# Allegro board RK_NVR_DEMO1_RK3588_LP4XD200P232SD8_V21_20211228_final_lint.brd (continued)
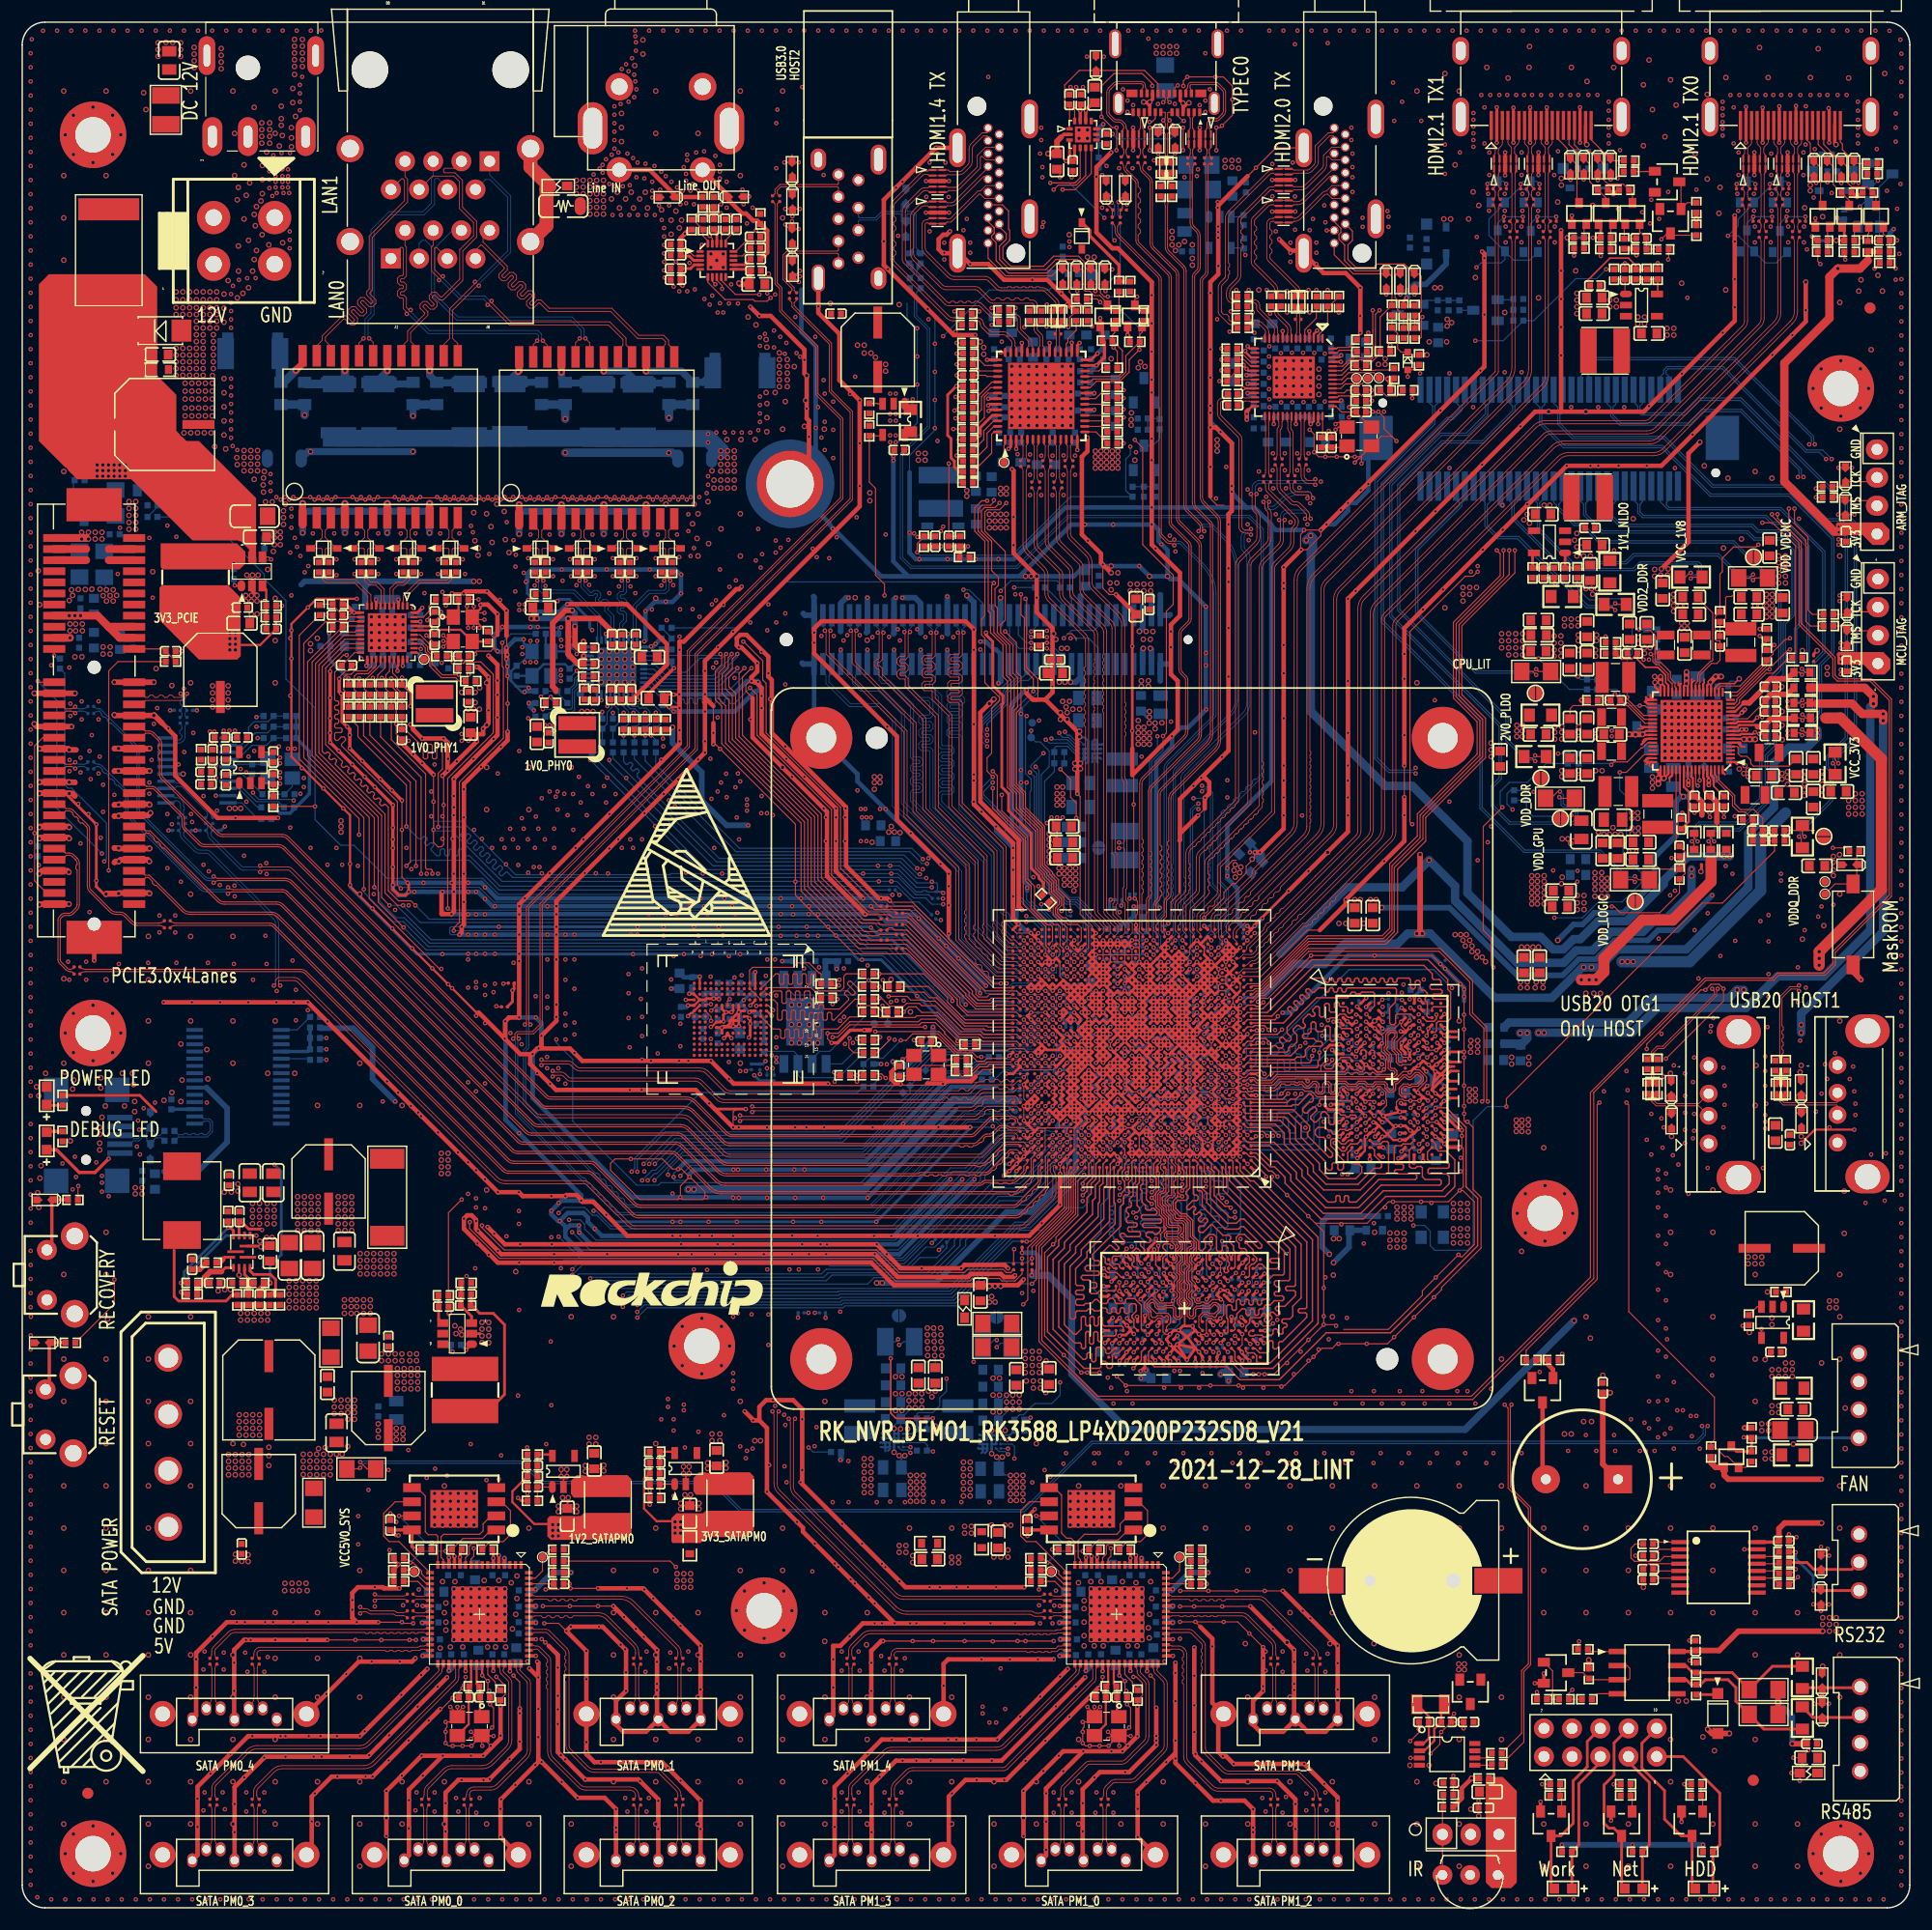
[diagram p0: board, top side]
## Routing (per net, layer and track width the routed paths; a pad name or vN(x,y) marks a point on that pad's centre or on a via; arc(x,y) is an arc through that point) (continued)
VBUS5V0_TYPEC0: length 8.3
  TOP w0.305: v2(105.13,162.7) 105.03,162.7 104.6,162.27 ; 104.6,162.27 J2500.A4 ; 104.6,162.27 v2(104.6,162.68) 104.35,162.93 J2500.B9 ; 101.6,162.45 v2(101.6,162.78) 101.85,163.03 J2500.B4 ; 101.6,162.45 J2500.A9 ; 101.6,162.45 101.29,162.76 101.12,162.76 101.09,162.78 v2(101.04,162.78) ; U2503.2 93.85,159.86 93.6,159.61
  TOP w0.508: 93.6,159.61 93.24,159.25 C2516.1 v2(92.43,158.12)
  vias: v2(108.38,157.52) v2(108.38,156.91) v2(108.99,157.52) v2(108.99,156.91) v2(109.6,157.52) v2(109.6,156.81)
VCC3V3_FT232_DEBUG: length 2.1
  BOTTOM w0.305: C9104.1 13.45,71.99 U9100.17
VCC3V3_PCIE30: length 18.2
  TOP w0.203: R8430.1 C8434.1 21.44,113.83 18.07,113.83
  TOP w0.711: 7.78,115.48 J8400.A9 ; 7.78,115.48 6.78,116.48 v2(5.26,116.48) v2(4.75,116.48) v2(4.24,116.48) J8400.B8 ; 7.78,115.48 8.78,114.48 J8400.A10 ; J8400.B10 v2(4.31,114.48)
  vias: v2(4.31,115.73) v2(4.31,115.12) v2(4.81,115.73) v2(4.81,115.12) v2(5.42,115.73) v2(5.42,115.12) v2(18.71,114.92) v2(18.71,114.41) v2(18.71,113.9) v2(18.71,113.39) v2(19.21,114.92) v2(19.21,114.41) v2(19.21,113.9) v2(19.21,113.39)
VCC3V3_PHY0: length 16.7
  TOP w0.508: v1(50.57,114.17) 50.57,113.6 C6714.1 50.03,113.58 49.81,113.81 v2(49.81,115.51) ; 48.07,109.67 48.07,109.82 47.8,110.09 47.8,115.82 48.94,116.96 v2(49.55,116.96)
  BOTTOM w0.254: v1(56.67,113.7) 56.61,113.65 U6701.11 ; U6701.29 v1(52.19,108.86) ; v1(50.57,114.17) 50.57,113.91 50.82,113.65 U6701.40
  BOTTOM w0.406: v1(56.67,113.7) 56.84,113.7 v1(57.07,113.94) 57.55,114.42 R6734.1
  BOTTOM w0.508: v2(49.81,115.51) 49.81,116.71 v2(49.55,116.96)
VCC3V3_PHY1: length 4.2
  TOP w0.254: U6801.29 v1(34.29,111.96) ; v1(36.04,117.19) 35.61,116.75 U6801.40 ; U6801.11 v1(29.89,116.75)
  TOP w0.305: v1(29.89,116.75) 29.89,116.78 29.16,117.52 R6834.1
  BOTTOM w0.305: C6819.1 35.86,116.56 35.86,117.01 v1(36.04,117.19)
  vias: v1(29.49,116.73) v1(37.79,112.23)
VCC3V3_PI6C_05: length 12
  BOTTOM w0.203: R8408.1 R8412.1 R8410.1
  BOTTOM w0.305: R8417.1 22.67,99.2 23.2,98.67 24.13,98.67 24.48,99.02 R8420.1 24.66,99.2 25.88,100.42 25.88,104.24 R8408.1
  vias: v1(18.16,106.11) v1(18.67,106.11) v1(19.17,106.11)
VCC3V3_SATAPM0: length 32.1
  TOP w0.203: C8226.1 57.16,34.85 56.03,35.98 56.03,38.64 R8213.1 C8225.1 ; v1(44.68,36.95) 44.93,36.69 R8215.1
  TOP w0.254: v1(35.41,32.3) R8205.1 ; v1(42.45,31.51) 42.45,32.21 R8204.1 ; R8203.1 39.45,32.13 v1(39.45,31.59)
  TOP w0.305: v1(39.45,31.59) U8200.12 ; U8200.43 v1(42.45,21.35) ; v1(33.91,33.57) 33.66,33.57 C8228.1 U8201.8 35.12,32.59 v1(35.41,32.3) ; R8208.1 33.48,31.36 33.88,30.95 v1(33.91,30.95) 33.91,30.93 33.48,30.5 R8210.1 R8209.1 ; U8200.26 v1(36.04,25.71) ; U8200.38 v1(39.95,21.33) ; U8200.49 v1(46.28,22.71) ; v1(42.45,31.51) U8200.6 ; U8200.32 v1(36.08,22.71) ; U8200.61 v1(46.26,28.71) ; U8200.55 v1(46.28,25.71) ; R8200.1 v1(49.45,30.23)
  BOTTOM w0.508: v1(36.08,22.71) 36.13,22.71 36.2,22.78 C8229.1 ; v1(49.45,30.23) 47.78,30.23 v1(46.26,28.71) 46.17,28.62 C8230.1 ; C8234.1 36.13,25.72 36.12,25.71 v1(36.04,25.71) ; C8235.1 46.24,25.75 v1(46.28,25.71)
  vias: v2(58.82,34.79) v2(58.82,34.28) v2(58.82,33.77) v2(59.33,34.79) v2(59.33,34.28) v2(59.33,33.77) v2(84.91,34.38) v2(84.91,33.77) v2(85.52,34.38) v2(85.52,33.77)
VCC3V3_SATAPM1: length 19.6
  TOP w0.254: R8303.1 96.85,32.13 v1(96.85,31.59) ; R8305.1 v1(92.81,32.3) ; R8304.1 99.85,32.21 v1(99.85,31.51)
  TOP w0.305: U8300.32 v1(93.49,22.71) ; U8300.43 v1(99.85,21.35) ; U8300.61 v1(103.67,28.71) ; R8300.1 v1(106.86,30.23) ; R8308.1 v1(90.88,30.96) R8309.1 R8310.1 ; U8300.12 v1(96.85,31.59) ; U8300.38 v1(97.35,21.33) ; U8300.6 v1(99.85,31.51) ; U8300.49 v1(103.68,22.71) ; U8301.8 C8326.1 v1(90.58,33.52) ; U8300.55 v1(103.68,25.71) ; U8300.26 v1(93.44,25.71)
  BOTTOM w0.508: C8333.1 103.57,28.62 v1(103.67,28.71) 105.18,30.23 v1(106.86,30.23) ; C8327.1 93.54,25.72 93.52,25.71 v1(93.44,25.71) ; v1(103.68,25.71) 103.64,25.75 C8332.1 ; v1(93.49,22.71) 93.54,22.71 93.61,22.78 C8308.1
  vias: v2(87.55,31.62) v2(88.19,31.62) v2(88.82,32.25) v2(88.82,31.62)
VCC4V0_SYS: length 38.4
  TOP w0.152: v2(147.62,110.97) 147.52,110.86 147.21,110.86 147.11,110.76 v2(147.11,110.46) ; 154.29,103.28 154.51,103.07 154.72,103.28
  TOP w0.203: U2100.7 155.08,105.38 v2(155.13,105.33) ; U2100.43 146.3,106.08 v2(146,105.78) ; U2100.27 150.07,110.24 v2(149.96,110.36) 149.72,110.12 U2100.28 ; 146.05,105.73 v2(146,105.78) ; 146.05,105.73 146,105.78 v2(146,105.78) ; 146.05,105.73 U2100.44 ; 147.97,101.86 148.32,102.21 U2100.54 ; 147.97,101.86 U2100.53 ; 147.97,101.86 v2(147.93,101.82) ; U2100.33 147.97,110.11 v2(147.62,110.46) U2100.34 147.33,109.87 147.29,109.87 147.11,110.05 v2(147.11,110.46) ; U2100.22 151.82,110.2 v2(152.1,110.48) 152.17,110.41 U2100.21 ; 153.92,102.94 153.92,102.94 U2100.1 154.72,103.28 154.73,103.29 ; v1(151.97,101.62) 151.97,101.85 151.82,101.99 U2100.64 ; R8212.1 v1(56.55,36.34) ; R2136.1 v1(142.67,114.6) ; 147.47,102.58 U2100.52 147.62,102.02 v2(147.42,101.82) 147.42,102.33 147.32,102.43 147.47,102.58
  TOP w0.254: v1(21.61,61.1) 21.54,61.18 20.42,61.18 19.73,61.87 C2017.1 19.54,61.83 U2000.5
  TOP w0.406: v1(151.97,101.21) v1(151.97,101.62)
  TOP w0.508: 146,105.78 145.39,105.78 v2(145.36,105.76) 145.34,105.78 144.78,105.78 ; v2(153.08,110.99) v2(152.58,110.99) 152.58,110.96 v2(152.1,110.48) ; v2(147.93,101.82) v2(147.42,101.82) v2(147.42,101.31) ; v2(149.96,110.36) v2(149.96,110.86) v2(149.96,111.4) ; v2(155.13,105.33) v2(155.65,105.33) v2(156.16,105.33) ; v2(147.62,110.97) v2(147.62,110.46)
  BOTTOM w0.203: U2202.E2 U2202.E1 ; U2202.E2 97.18,104.46 97.2,104.49 ; U2202.E2 U2202.D2 U2202.D1 ; U2202.E1 97.27,104.86 97.31,104.89 ; U2202.E1 U2202.D1 ; U2202.E1 96.83,105.27 96.8,105.3 ; 86.13,41.44 86.17,41.4 U2200.E1 ; U2201.E1 77.77,41.16 ; U2201.E1 77.38,41.53 ; U2201.E1 U2201.E2 ; U2201.E1 U2201.D1 ; 96.59,105.3 96.43,105.14 U2202.D1 ; U2200.E1 86.55,41.11 86.43,40.99 ; U2200.E1 U2200.D1 ; U2200.E1 U2200.E2 ; U2200.D1 86.95,41.2 86.74,40.99 ; U2200.D1 U2200.D2 U2200.E2 ; U2201.E2 U2201.D2 U2201.D1 ; U2201.E2 77.32,41.93 ; 86.23,41.8 86.23,41.8 U2200.E2 ; 78,41.19 78.17,41.36 U2201.D1
  vias: v1(143.23,106.11) v1(143.23,105.61) v2(18.67,99.1) v2(19.17,99.1) v2(19.68,99.1) v2(28.73,97.99) v2(28.73,97.48) v2(28.73,96.97) v2(30.45,58.97) v2(30.45,58.36) v2(30.45,57.75) v2(30.45,57.14) v2(31.06,58.97) v2(31.06,58.36) v2(31.06,57.75) v2(31.06,57.14) v2(31.67,58.97) v2(31.67,58.36) v2(31.67,57.75) v2(31.67,57.14) v2(32.28,58.97) v2(32.28,58.36) v2(32.28,57.75) v2(32.28,57.14) v2(32.89,58.97) v2(32.89,58.36) v2(32.89,57.75) v2(32.89,57.14) v2(33.5,58.97) v2(33.5,58.36) v2(33.5,57.75) v2(33.5,57.14) v2(51.08,42.41) v2(51.08,41.8) v2(51.69,42.41) v2(51.69,41.8) v2(62.15,42.71) v2(62.15,42.11) v2(62.86,42.71) v2(62.86,42.11) v2(75.87,40.48) v2(75.87,39.87) v2(75.87,39.26) v2(75.87,38.65) v2(75.87,38.04) v2(75.87,37.43) v2(76.48,40.48) v2(76.48,39.87) v2(76.48,39.26) v2(76.48,38.65) v2(76.48,38.04) v2(76.48,37.43) v2(84.81,40.17) v2(84.81,39.57) v2(84.81,38.96) v2(84.81,38.35) v2(84.81,37.74) v2(84.81,37.13) v2(85.42,40.17) v2(85.42,39.57) v2(85.42,38.96) v2(85.42,38.35) v2(85.42,37.74) v2(85.42,37.13) v2(87.15,125.62) v2(87.15,125.01) v2(87.15,124.4) v2(87.65,125.62) v2(87.65,125.01) v2(87.65,124.4) v2(88.16,125.62) v2(88.16,125.01) v2(88.16,124.4) v2(88.67,125.62) v2(88.67,125.01) v2(88.67,124.4) v2(100.56,107.03) v2(100.56,106.42) v2(100.56,105.91) v2(100.56,105.4) v2(100.56,104.89) v2(101.06,106.42) v2(101.06,105.91) v2(101.06,105.4) v2(101.06,104.89) v2(101.57,105.91) v2(101.57,105.4) v2(101.57,104.89) v2(135.3,125.11) v2(135.61,125.62) v2(135.81,124.81) v2(144.78,105.78) v2(146.89,101.95) v2(146.89,101.44) v2(146.89,100.93) v2(147.09,110.99) v2(148.21,142.38) v2(148.21,141.78) v2(148.82,142.38) v2(148.82,141.77) v2(154.71,102.66) v2(155.12,102.25) v2(155.22,102.96) v2(155.52,102.56) v2(155.52,101.95)
VCC4V0_SYS_P: length 22.2
  TOP w0.254: 12.06,71.77 10.6,73.24 R2007.1
  TOP w0.508: C2026.2 21.41,55.72 21.76,56.07 R2017.1 v1(22.32,56.33)
  BOTTOM w0.254: v1(22.32,56.33) 22.32,57.85 23.34,58.87 23.34,66.39 v1(22.73,67)
VCC5V0_SYS: length 252.3
  TOP w0.102: R2024.2 30.35,39.57 v1(30.45,39.67)
  TOP w0.254: Q5005.1 v1(139.63,152.55) ; Q5002.1 v1(161.57,152.29)
  TOP w0.305: U2503.13 v1(95.33,161.99) 95.33,162.5 95.27,162.56 ; U2503.12 95.83,162.05 96.39,162.61
  TOP w0.508: R9905.1 v1(155.17,43.27)
  L4-S1 w0.102: v1(151.86,43.43) 151.71,43.58 151.71,56.48 159.48,64.25 159.48,88.84 162.63,91.99 162.63,98.9 164.87,101.13 164.87,109.57 163.45,110.99 163.45,116.48 163.04,116.88 v1(163.04,130.6)
  BOTTOM w0.102: v1(163.04,130.6) 162.23,131.41 160.79,131.41 153.27,138.93 148.21,138.93 147.9,138.63 147.9,138.32 147.59,138.01 J9800.5 ; v1(151.86,43.43) 151.66,43.22 151.66,42.61 150.9,41.85 96.42,41.85 90.28,35.7 64.69,35.7 62.15,38.24 46.81,38.24 44.98,40.07 30.86,40.07 v1(30.45,39.67)
  BOTTOM w0.508: 102.54,118.36 102.55,118.34 U4700.79 103.37,116.52 103.43,116.58 ; U4700.77 101.75,118.33 101.78,118.36
  vias: v1(95.84,161.99) v2(25.32,40.89) v2(25.32,40.28) v2(25.32,39.67) v2(25.32,39.06) v2(25.93,40.89) v2(25.93,40.28) v2(25.93,39.67) v2(25.93,39.03) v2(26.54,40.89) v2(26.54,40.28) v2(26.54,39.67) v2(26.54,39.03) v2(26.69,41.39) v2(27.15,40.89) v2(27.15,40.28) v2(27.15,39.67) v2(27.15,39.03) v2(27.3,41.5) v2(27.76,40.89) v2(27.76,40.28) v2(27.76,39.67) v2(27.76,39.03) v2(28.32,40.89) v2(28.83,40.89) v2(29.33,41.6) v2(80.74,131.11) v2(80.74,130.5) v2(81.35,131.11) v2(81.35,130.5) v2(95.98,148.8) v2(96.59,148.8) v2(96.7,131.31) v2(96.7,130.8) v2(96.7,130.29) v2(96.7,129.79) v2(97.2,131.31) v2(97.2,130.8) v2(97.2,130.29) v2(97.2,129.79) v2(97.71,131.31) v2(97.71,130.8) v2(97.71,130.29) v2(97.71,129.79) v2(98.22,131.31) v2(98.22,130.8) v2(98.22,130.29) v2(98.22,129.79) v2(98.73,131.31) v2(98.73,130.8) v2(98.73,130.29) v2(98.73,129.79) v2(99.85,119.32) v2(99.85,118.71) v2(100.45,119.32) v2(100.45,118.71) v2(101.06,119.32) v2(101.06,118.71) v2(101.67,119.32) v2(101.67,118.71) v2(105.43,149.9) v2(105.43,148.68) v2(105.43,148.07) v2(128.09,152.24) v2(128.7,152.24) v2(138.68,155.9) v2(138.68,155.29) v2(157.66,48.51) v2(157.66,47.9) v2(158.27,48.51) v2(158.27,47.9) v2(158.87,49.12) v2(158.87,48.51) v2(158.87,47.9) v2(159.48,49.12) v2(159.48,48.51) v2(159.48,47.9) v2(161.11,155.29) v2(161.11,154.78)
VCC5V0_SYS_P: length 256.6
  TOP w0.102: R2024.1 31.06,39.57 v1(30.45,40.17)
  TOP w0.254: C2031.1 40.45,54.33 R2022.1 40.52,54.29 41.22,53.59 42.44,53.59 43.46,52.57 43.46,46.27 41.96,44.78 L2002.2
  L4-S1 w0.102: v1(151.36,43.43) 151.51,43.58 151.51,56.57 159.28,64.34 159.28,88.93 162.43,92.08 162.43,98.98 164.67,101.22 164.67,109.47 163.24,110.89 163.24,116.39 162.84,116.8 162.84,130.29 v1(162.53,130.6)
  BOTTOM w0.102: v1(151.36,43.43) 151.46,43.32 151.46,42.71 150.8,42.05 96.34,42.05 90.19,35.91 64.79,35.91 62.25,38.45 46.91,38.45 45.08,40.28 30.76,40.28 30.66,40.17 v1(30.45,40.17) ; J9800.3 148.39,138.04 148.11,138.32 148.11,138.52 148.31,138.73 153.19,138.73 160.7,131.21 161.92,131.21 v1(162.53,130.6)
  vias: v2(32.08,43.63) v2(32.08,43.02) v2(32.08,42.41) v2(33.7,43.22) v2(33.7,42.71) v2(33.7,42.21) v2(34.31,43.22) v2(34.31,42.71) v2(34.31,42.21)
VCC5V0_USB30_HOST2: length 1.5
  BOTTOM w0.254: R2515.1 79.98,134.92 80.24,135.18 v1(80.24,135.98)
VCC5V_FT232_DEBUG: length 20.5
  TOP w0.305: v1(7.8,67.53) 6.55,66.29 5.14,66.29 3.1,68.33 LED9100.1
  BOTTOM w0.305: 16.6,73.94 U9100.20
  BOTTOM w0.508: 16.6,73.94 18.46,72.08 18.46,69.03 15.81,66.38 12.77,66.38
VCC5V_HDMI_TX0: length 1.8
  TOP w0.305: J5000.18 163.32,159.06 v2(163.43,158.95)
VCC5V_HDMI_TX1: length 1.8
  TOP w0.305: v2(140.98,158.95) 140.87,159.06 J5001.18
VCC12V_DCIN: length 2.1
  BOTTOM w0.508: 102.54,110.61 102.55,110.62 U4700.80 103.16,112.12 103.17,112.13
  vias: v2(6.75,130.07) v2(6.75,129.56) v2(6.75,129.05) v2(7.26,130.07) v2(7.26,129.56) v2(7.26,129.05) v2(7.77,130.07) v2(7.77,129.56) v2(7.77,129.05) v2(8.28,130.07) v2(8.28,129.56) v2(8.28,129.05) v2(8.79,130.07) v2(8.79,129.56) v2(8.79,129.05) v2(9.29,130.07) v2(9.29,129.56) v2(9.29,129.05) v2(23.67,29.25) v2(23.65,28.59) v2(24.05,56.53) v2(24.05,55.92) v2(24.05,55.31) v2(24.05,54.7) v2(24.05,54.09) v2(24.31,29.25) v2(24.36,28.59) v2(24.66,56.53) v2(24.66,55.92) v2(24.66,55.31) v2(24.66,54.7) v2(24.66,54.09) v2(24.94,29.25) v2(24.97,28.59) v2(25.27,56.53) v2(25.27,55.92) v2(25.27,55.31) v2(25.27,54.7) v2(25.27,54.09) v2(25.58,29.25) v2(25.68,28.59) v2(25.88,56.53) v2(25.88,55.92) v2(25.88,55.31) v2(25.88,54.7) v2(25.88,54.09) v2(26.49,56.53) v2(26.49,55.92) v2(26.49,55.31) v2(26.49,54.7) v2(26.49,54.09) v2(29.03,54.81) v2(29.03,54.2) v2(29.03,53.59) v2(29.64,54.81) v2(29.64,54.2) v2(29.64,53.59) v2(30.15,54.81) v2(30.15,54.2) v2(30.15,53.59) v2(30.76,54.81) v2(30.76,54.2) v2(30.76,53.59) v2(31.37,54.81) v2(31.37,54.2) v2(31.37,53.59) v2(100.84,110.61) v2(100.84,110.1) v2(101.47,110.61) v2(101.47,110.1) v2(157.05,41.09) v2(157.05,40.48) v2(157.66,41.09) v2(157.66,40.48)
VCC12V_PCIE30: length 13.2
  TOP w0.711: J8400.A3 7.8,121.48 ; J8400.A2 7.8,122.48 ; J8400.B1 5.76,123.48 ; J8400.B3 5.76,121.48 ; J8400.B2 5.76,122.48
  vias: v2(5.36,123.99) v2(5.36,123.39) v2(5.97,123.99) v2(5.97,123.39) v2(6.58,123.99) v2(6.58,123.39) v2(7.19,123.99) v2(7.19,123.39)
VCC_1V1_NLDO: length 4.2
  TOP w0.203: U2100.13 154.68,107.48 v1(154.93,107.73) ; v1(154.94,106.21) 154.81,106.21 154.68,106.08 U2100.9
  TOP w0.381: v1(154.94,106.21) v1(155.34,106.21) ; v1(155.22,108.02) v1(154.93,107.73)
  BOTTOM w0.102: v1(155.22,108.02) v1(154.93,107.73) 154.43,107.23 C2167.1 154.3,107.23
  vias: v2(140.89,118.91) v2(141.4,118.92) v2(141.5,118.41) v2(141.91,118.92)
VCC_1V1_NLDO_P: length 8.1
  TOP w0.254: C2021.1 R2012.1 138.06,119.41 v1(138.15,119.32)
  L6-S2 w0.254: v1(138.15,119.32) 139.98,121.15 142.21,121.15 v1(143.43,122.37)
VCC_1V8: length 608.3
  TOP w0.102: R2130.1 149.86,119.96 150.24,120.34 v1(150.34,120.34)
  TOP w0.203: U4000.P3 60.73,82.17 U4000.N4 U4000.P5 ; R1914.1 v1(90.98,57.02) ; R1913.1 v1(90.09,59.05)
  TOP w0.254: v1(65.52,80.72) 65.64,80.85 U4000.C6 ; U1000.R27 v1(94.15,76.16) ; U1000.AA7 v1(106.5,79.41) ; U7000.3 60.5,148.51 60.12,148.89 59.4,148.89 C7007.1 ; R1501.1 44.32,82.84 v1(44.17,82.69) 44.17,81.68 R1500.1 ; v1(98.05,70.96) U1000.G20 v1(98.05,70.31) ; v1(98.05,70.96) U1000.H20 ; v1(98.05,70.96) 97.72,71.29 U1000.H21 ; U1000.W25 v1(94.8,78.76) U1000.Y26 ; U1000.AC25 95.12,81.04 v1(94.8,81.36) ; U4000.N4 U4000.M4 61.66,81.96 v1(62.3,81.96) 62.74,81.96 v1(62.79,81.91) ; U1000.V26 v1(94.15,78.11) ; v1(59.99,81.35) 60.55,81.35 U4000.P5 ; U4000.P3 60.51,82.4 v1(60.09,82.4) ; U1000.N28 v1(92.85,74.86)
  TOP w0.406: v2(147.7,120.69) 150.14,123.13 150.14,131.11 v2(151.15,132.12) ; R7002.1 60.09,151.28 v1(59.72,150.91) 59.33,150.51 C7006.1 C7007.1 ; R5014.1 v1(150.85,152.24) R5017.1 ; R5135.1 v2(126.57,139.99) ; v2(58.6,106.42) 58.39,106.21 R6730.1 ; R2137.1 v1(156.57,115.28)
  TOP w0.508: R2138.1 v1(140.51,108.86)
  L4-S1 w0.305: v1(94.8,78.76) v1(94.15,78.11) 93.7,77.67 88.57,77.67 87.25,78.99 86.71,78.99 ; 90.11,83.18 94.41,83.18 94.8,82.79 v1(94.8,81.36)
  L4-S1 w0.508: v1(72.72,121.66) 77.59,126.53 77.59,135.48 76.99,136.09 76.99,138.12 70.69,144.42 70.69,144.77 66.98,148.48 66.93,148.48 64.08,151.33 60.14,151.33 v1(59.72,150.91) ; 86.71,78.99 82.57,78.99 82.17,79.39 v1(82.07,79.39) ; 90.11,83.18 88.33,84.96 78.71,84.96 78.28,85.39 76.6,85.39 v1(76.17,84.96)
  L4-S1 w0.635: v1(82.07,79.39) 82.07,76.24 81.86,76.04 81.86,69.74 79.32,67.2 79.32,53.48 80.74,52.06 80.74,49.34 86.36,43.73 89.48,43.73 90.09,43.12 133.07,43.12 v2(141.3,51.35)
  L6-S2 w0.089: 94.28,76.45 94.15,76.31 v1(94.15,76.16) ; 94.28,76.45 94.28,76.95 94.47,77.14 U1000.V26 v1(94.15,78.11) v1(94.8,78.76) U1000.W25 95.12,77.29 94.28,76.45 ; v1(98.05,70.31) v1(98.05,70.96) ; v1(98.05,70.31) 98.05,70.18 97.2,69.33 97.1,69.33 ; v1(98.05,70.31) 97.86,70.31 97.53,69.99 97.26,69.99 97.07,70.18 97.03,70.18 96.42,69.57 96.42,69.53 96.23,69.34 96.19,69.34 96.19,69.34 95.96,69.34 95.77,69.15 95.77,67.65 95.77,67.65 95.77,67.34 95.93,67.18 96.06,67.18 96.42,67.54 96.42,67.58 96.42,68.52 ; 108.16,82.36 108.35,82.54 108.89,82.54 ; 108.16,82.36 107.69,82.36 107.47,82.15 107.47,81.88 107.49,81.86 107.49,81.69 ; 108.16,82.36 108.16,82.19 108.12,82.15 108.12,81.88 107.93,81.69 107.62,81.69 ; 106.5,80.41 107.11,81.02 107.26,81.02 107.47,81.23 107.47,81.54 107.62,81.69 ; 96.42,68.52 96.42,69.15 96.61,69.34 96.88,69.34 96.88,69.33 97.1,69.33 ; 96.42,68.52 96.59,68.69 96.88,68.69 97.07,68.88 97.07,69.15 97.06,69.16 97.06,69.2 97.1,69.25 97.1,69.33 ; 107.49,81.69 107.01,81.69 106.82,81.5 106.82,80.86 106.5,80.53 ; 107.49,81.69 107.62,81.69
  L6-S2 w0.254: 94.16,64 94.16,65.07 94.77,65.68 94.77,65.88 95.43,66.54 95.68,66.54 95.93,66.79 95.93,67.18 ; v1(94.15,76.16) 94.36,76.37 94.36,76.45 ; v1(92.85,74.86) 92.41,75.3 91.21,75.3 91.18,75.28 90.04,75.28 89.18,74.41 ; 108.89,82.54 108.9,82.54 109.61,83.25 110.51,83.25 111.07,83.81 ; v1(106.5,79.41) 106.5,80.76 106.65,80.92
  L6-S2 w0.305: 94.16,64 94.16,61.79 92.02,59.66 92.02,58.06 v1(90.98,57.02)
  L6-S2 w0.406: v2(126.57,139.99) 128.85,139.99 130.63,141.77 135.91,141.77 141.35,136.34 141.96,136.34 142.72,135.58 142.72,134.97 145.57,132.12 v2(151.15,132.12) ; v1(90.09,59.05) 89.86,59.05 89.58,58.76 83.14,58.76 v1(82.6,59.3) v1(81.96,59.94) ; 89.18,74.41 84.1,74.41 83.69,74.82 81.86,74.82 80.95,75.73 78.99,75.73 v1(78.45,76.28)
  L6-S2 w0.508: v1(156.57,115.28) 153.12,115.28 v2(148.26,120.13) ; v1(140.51,108.86) 141.19,108.86 142.01,108.04 144.63,108.04 145.74,109.16 145.74,111.07 146.48,111.8 148,111.8 148.41,112.21 148.41,115.87 147.62,116.65 v2(147.62,120.13) ; v1(168.63,151.33) 167.61,152.34 v1(163.55,152.34) 163.14,152.34 162.53,151.73 162.53,150.31 160.81,148.58 154,148.58 151.81,150.77 151.81,151.27 v1(150.85,152.24) 150.14,151.53 150.14,150 151.15,148.99 v2(151.15,132.12) ; v2(98.12,118.81) 97.71,118.41 95.27,118.41 92.63,121.05 73.12,121.05 72.72,121.45 v1(72.72,121.66) ; 111.07,83.81 114.48,87.22 122.6,87.22 123.52,86.3 128.21,86.3 131.24,83.28 131.24,81.21 133.6,78.86 v2(134.97,78.86) v2(135.61,78.86) 136.25,79.49 137.64,79.49 140.34,76.8 147.14,76.8 147.5,77.16 148.82,77.16 151.25,74.72 157.55,74.72 163.24,80.41
  BOTTOM w0.102: J9800.40 133.99,126.83 134.21,126.61 134.21,125.23 138.9,120.54 145.29,120.54 145.87,121.12 150.87,121.12 151.05,120.95 151.05,120.44 150.75,120.13 150.54,120.13 v1(150.34,120.34)
  BOTTOM w0.203: R1916.1 v1(82.6,59.3) ; 82.29,60.27 v1(81.96,59.94)
  BOTTOM w0.254: C1301.1 106.5,79.41 v1(106.5,79.41) ; C1506.1 94.53,79.03 v1(94.8,78.76) v1(94.15,78.11) 93.89,78.11 C1300.1 ; v1(92.85,74.86) 92.36,75.35 92.15,75.35 C1107.1 ; v1(98.05,70.31) C1505.1 C1903.1 v1(98.05,70.96) ; C1902.1 94.59,81.6 94.8,81.39 v1(94.8,81.36) ; C1112.1 94.46,76.47 v1(94.15,76.16)
  BOTTOM w0.305: R4000.1 65.52,82.34 v1(65.01,81.82) R4002.1 64.92,81.32 v1(65.52,80.72) 65.99,80.72 C4002.1 66.45,80.58 66.85,80.18 R4300.1
  BOTTOM w0.406: v1(90.09,59.05) 91.23,59.05 91.62,58.67 91.62,57.65 v1(90.98,57.02) ; v1(60.09,82.4) 60.37,82.67 C4000.1 ; v1(62.79,81.91) 62.79,82.35 C4003.1 62.25,82.47 ; 62.25,82.47 61.61,82.47 R4001.1 ; 62.25,82.47 62.3,82.42 v1(62.3,81.96) ; v1(163.55,152.34) 163.69,152.2 R5000.1 ; R5005.1 168.27,150.96 v1(168.63,151.33) ; v1(59.99,81.35) 59.86,81.21 C4001.1 ; C4004.1 v1(58.47,82.86) ; v1(68.48,85.34) R4301.1
  BOTTOM w0.508: 72.44,83.68 72.38,83.73 C4301.1 C4300.1 73.39,85.21 v1(73.39,84.63) ; v2(58.6,106.42) 58.6,105 61.24,102.35 61.24,99.81 63.47,97.58 v1(65.4,97.58) ; v1(78.45,76.28) 78.79,75.94 79.73,75.94 82.07,78.27 v1(82.07,79.39) ; U4700.61 95.35,118.28
  BOTTOM w0.635: v2(139.82,52.93) 130.02,43.12 99.54,43.12 94.56,48.1 94.56,54.91 92.45,57.02 v1(90.98,57.02)
  BOTTOM w0.762: v2(134.97,78.86) v2(135.61,78.86) 135.61,78.37 C3843.1 134.86,77.89 R3803.2
  vias: v2(98.02,119.42) v2(98.63,119.42) v2(129.82,119.02) v2(129.82,118.41) v2(129.82,117.8) v2(130.43,119.02) v2(130.43,118.41) v2(131.04,119.02) v2(147.09,120.64) v2(147.09,120.03) v2(148.31,120.69)
VCC_1V8_P: length 34.8
  TOP w0.102: 150.77,110.18 150.77,110.35 150.98,110.56 150.98,111.23 152.12,112.37 152.22,112.37 152.32,112.48 152.32,116.72 151.02,118.03 ; R2130.2 150.47,119.96 v1(150.34,119.83)
  TOP w0.203: 150.77,110.18 U2100.25
  BOTTOM w0.102: J9800.38 134.79,127.04 134.42,126.67 134.42,125.31 138.99,120.74 145.16,120.74 145.74,121.33 151.05,121.33 151.31,121.07 151.31,120.39 150.85,119.93 150.44,119.93 v1(150.34,119.83)
VCC_2V0_PLDO: length 1.4
  TOP w0.152: U2100.59 150.07,101.71 150.13,101.65 v1(150.13,101.62)
  TOP w0.406: v1(150.13,101.22) v1(150.13,101.62)
  vias: v2(134.67,106.6) v2(134.67,106.09) v2(134.67,105.58) v2(135.18,106.6) v2(135.18,106.09) v2(135.18,105.58)
VCC_2V0_PLDO_P: length 9.1
  TOP w0.102: U2100.41 146.22,106.78 144.63,108.37 139.75,108.37 139.47,108.09 C2152.1
VCC_3V3: length 480.1
  TOP w0.102: v1(163.14,103.17) 163.35,102.96 R2127.1
  TOP w0.254: v1(64.06,79.47) v1(64.56,79.47) 64.56,79.98 ; v1(64.06,79.47) 64.06,80.26 ; v1(64.06,79.47) 63.98,79.39 63.26,79.39 63.18,79.47 ; v1(63.05,79.35) 63.06,79.35 63.18,79.47 ; v1(63.05,79.35) U4000.K9 ; v1(63.05,79.35) U4000.J10 ; 63.18,79.47 63.52,79.47 63.78,79.72 63.78,79.98 ; U2503.4 94.83,157.63 C2519.1 94.37,157.76 U2503.3 ; 64.06,80.26 64.54,80.74 v1(64.56,80.74) ; 64.06,80.26 63.78,79.98 ; v2(163.45,150.3) R5002.1 164.18,151.33 Q5000.1 ; v1(141.53,150.54) 141.54,150.56 R5012.1 142.23,151.59 Q5003.1 ; 63.78,79.98 64.56,79.98 ; U4000.F5 64.55,80.86 64.56,80.85 v1(64.56,80.74) ; U1000.AC26 94.47,81.04 v1(94.15,81.36) ; v1(64.56,80.74) 64.68,80.85 U4000.E6 ; v1(64.56,80.74) 64.56,79.98 ; U1000.W26 v1(94.15,78.76) ; U1000.P28 v1(93.5,75.51) ; R9003.1 v1(138.73,5.68) ; v1(161.26,150.66) 161.64,150.29 R5009.1 ; R9005.1 v1(145.08,5.68) ; U1000.AJ10 v1(105.2,85.26) ; R5021.1 v2(139.22,150.54) ; R9004.1 v1(151.43,5.68) ; U1000.Y7 v1(106.5,78.76)
  TOP w0.305: U9500.8 149.09,23.11 150.69,23.11 C9500.1 ; C9505.1 158.18,32.97 U9501.16
  TOP w0.406: 166.29,148.48 R5025.1 166.35,149.29 R5006.1 ; C2519.1 v1(94.05,157.47) ; v2(130.6,11.68) 129.72,10.79 129.72,9.87 R9000.1 ; v1(145.45,148.97) R5018.1 145.41,149.55 R5026.1
  TOP w0.508: v2(162.23,24.93) 154.64,24.93 152.9,23.19 C9500.1 ; BP7000.1 142.42,40 C7012.1 v2(143.08,46.43) ; v1(162.11,38.64) 153.71,38.64 153.35,39 Q9501.1 152.58,39.71 152.17,40.11 R9904.1 ; v2(151.86,16.1) 152.24,15.72 D9502.1 v2(153.82,15.72) ; v2(162.13,34.69) 158.8,34.69 158.29,34.18 C9505.1 ; R9500.1 v2(141.15,22.34) ; R9002.1 130.61,11.67 v2(130.6,11.68)
  TOP w0.762: 166.29,148.48 165.58,147.77 v2(163.6,147.77) 162.84,147.01 162.84,143.3 158.77,139.23 158.77,128.57 163.29,124.05 C9105.1
  L4-S1 w0.089: 89.69,81.63 89.73,81.67 90.1,81.67 90.11,81.69 90.38,81.69 90.4,81.67 90.75,81.67 90.76,81.69 91.03,81.69 91.05,81.67 91.4,81.67 91.41,81.69 91.68,81.69 91.7,81.67 92.05,81.67 92.06,81.69 92.33,81.69 92.35,81.67 92.7,81.67 92.71,81.69 92.98,81.69 93,81.67 93.35,81.67 93.36,81.69 93.63,81.69 93.65,81.67 93.76,81.67 94.07,81.36 v1(94.15,81.36) 93.81,81.02 93.65,81.02 93.63,81.04 93.36,81.04 93.35,81.02 93,81.02 92.98,81.04 92.71,81.04 92.7,81.02 92.35,81.02 92.33,81.04 92.06,81.04 92.05,81.02 91.05,81.02 91.03,81.04 90.76,81.04 90.75,81.02 88.47,81.02 ; 92.71,79.09 92.98,79.09 93.01,79.11 93.01,79.11 93.36,78.76 v1(94.15,78.76) 93.84,78.45 93,78.45 92.98,78.44 92.71,78.44 92.7,78.45 92.35,78.45 92.33,78.44 92.06,78.44 92.05,78.45 91.7,78.45 91.68,78.44 91.41,78.44 91.4,78.45 91.05,78.45 91.03,78.44 90.76,78.44 90.75,78.45 90.4,78.45 90.38,78.44 90.11,78.44 90.1,78.45 88.47,78.45 88.47,79.11 90.09,79.11 90.11,79.09 90.38,79.09 90.41,79.11 90.74,79.11 90.76,79.09 91.03,79.09 91.06,79.11 91.39,79.11 91.41,79.09 91.68,79.09 91.7,79.1 92.05,79.1 92.06,79.09 92.33,79.09 92.36,79.11 92.69,79.11 92.71,79.09
  L4-S1 w0.102: 88.44,78.45 88.47,78.45 ; 86.79,81.02 86.64,81.02 86.54,81.12 86.54,81.55 86.64,81.65 88.47,81.65 ; 86.79,81.02 88.47,81.02 ; 86.79,81.02 86.79,81.02
  L4-S1 w0.406: v1(72.38,53.18) 73.43,53.18 76.38,50.23 76.38,48.61 72.92,45.15 72.92,41.19 v1(73.73,40.38) 73.73,35.91 84.81,24.83 85.72,24.83 87.75,22.8 87.75,21.99 v1(88.16,21.58) ; v2(94.34,150.82) 94.34,155.2 94.05,155.49 v1(94.05,157.47)
  L4-S1 w0.508: v1(151.43,5.68) v2(151.43,15.41) ; v2(129.94,21.47) 130.6,20.81 v2(130.6,11.68) ; 86.54,81.4 86.15,81.4 83.87,83.69 v2(78.28,83.69) ; v2(163.6,147.77) 163.6,150.15 v2(163.45,150.3) ; 88.47,78.86 87.53,79.8 83.59,79.8 82.62,80.76 v2(80.03,80.76)
  L6-S2 w0.089: 106.31,86.1 106.18,86.24 105.71,86.24 105.2,85.72 v1(105.2,85.26) 105.52,85.59 105.98,85.59 106.31,85.92 106.31,85.97 ; 105.53,86.3 105.54,86.3 105.54,86.41 105.52,86.43 105.52,86.7 105.64,86.81 105.64,86.96 105.52,87.08 105.52,87.35 105.64,87.46 105.64,87.55 105.81,87.72 105.84,87.72 ; 104.11,84.17 104.11,83.87 104.34,83.64 104.9,83.64 104.93,83.66 ; 104.82,84.88 104.82,84.8 104.87,84.75 104.87,84.48 104.82,84.43 104.82,84.27
  L6-S2 w0.203: v1(94.15,78.76) 93.77,78.38 93.77,77.22 93.9,77.08 93.9,76.57 93.5,76.17 v1(93.5,75.51)
  L6-S2 w0.254: 106.31,85.97 106.31,86.1
  L6-S2 w0.406: v1(97.41,160.77) 97.41,159.55 96.29,158.44 95.03,158.44 v1(94.05,157.47) ; 107.06,87.83 109.4,90.16 v2(122.5,90.16) ; v2(111.43,145.84) 110.51,146.75 103.6,146.75 99.54,150.82 v2(94.34,150.82) ; v1(72.38,53.18) 71.98,52.77 70.33,52.77 v1(69.9,53.21)
  L6-S2 w0.508: v2(127.28,146.04) v2(127.79,146.04) 136.32,146.04 139.19,148.91 139.19,150.47 139.22,150.49 v2(139.22,150.54) v1(141.53,150.54) 143.88,150.54 v1(145.45,148.97) ; v2(162.33,88.54) 161.11,88.54 158.37,91.28 v1(152.27,91.28) ; v2(143.08,46.43) 151.72,46.43 155.52,50.23 161.01,50.23 v2(162.13,49.12)
  BOTTOM w0.102: v1(163.14,103.17) 163.14,103.57 165.07,105.5 165.07,124.72 164.26,125.54 164.26,126.43 154.81,135.88 151.15,135.88 149.83,134.56 145.87,134.56 145.57,134.87 145.57,135.37 145.19,135.75 J9800.11 ; C5107.1 128.28,142.47 v2(128.39,142.59)